# KiCad board Kea Nano PCB V1-rounded.kicad_pcb (continued)
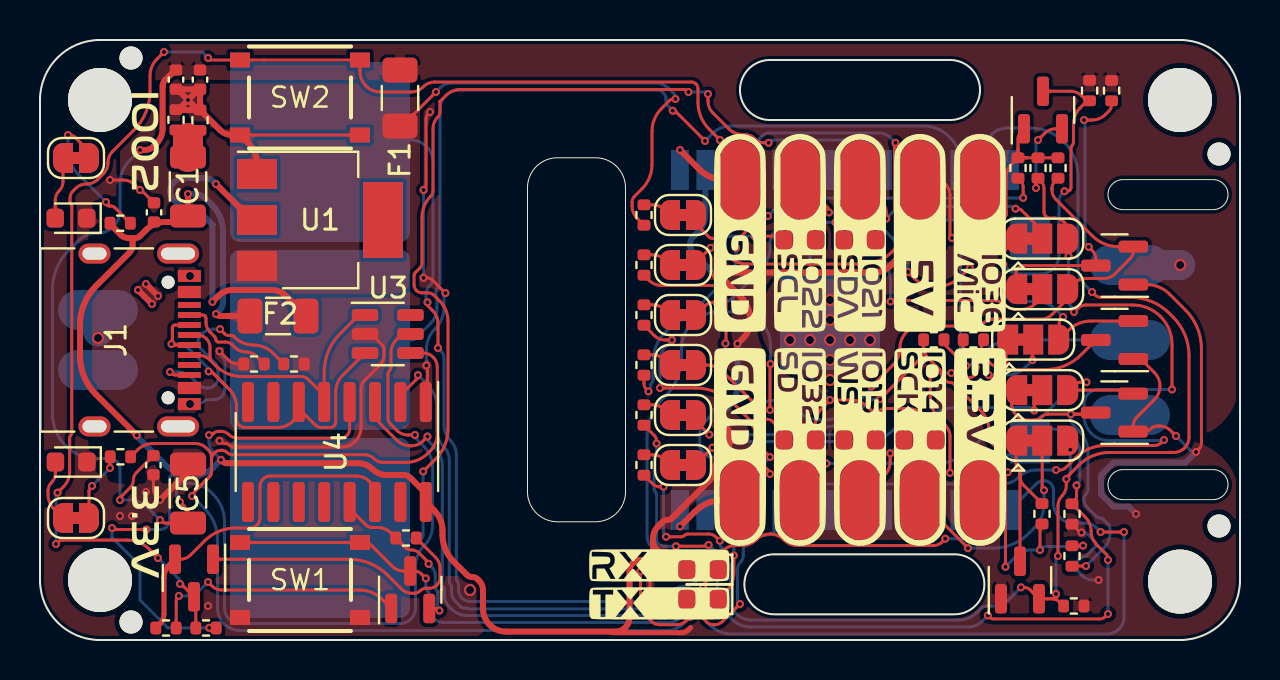
[diagram p0: board, top side]
## Routing (per net, layer and track width the routed paths; a pad name or vN(x,y) marks a point on that pad's centre or on a via; arc(x,y) is an arc through that point) (continued)
  Bottom w0.15: v2(19.97,1.47) 19.92,1.52 arc(19.89,1.57) 19.88,1.63 19.88,2.36 arc(19.86,2.43) 19.82,2.5 arc(19.78,2.56) 19.77,2.63 19.77,3.24 arc(19.72,3.45) 19.6,3.64 v2(19.43,3.81)
/CH340-RTS: length 17.6
  Top w0.15: 16.75,6.57 16.75,7.28 arc(16.68,7.62) 16.48,7.92 16.47,7.92 arc(16.17,8.13) 15.81,8.2 11.51,8.2 arc(11.32,8.16) 11.15,8.05 arc(11.04,7.88) 11,7.69 11,6.11 arc(10.96,5.92) 10.85,5.75 arc(10.68,5.64) 10.49,5.6 9.79,5.6 arc(8.94,5.43) 8.23,4.95 7.51,4.24 arc(7.29,4.09) 7.03,4.04 arc(6.77,3.99) 6.55,3.84
  Top w0.25: R24.2 6,0.81 arc(6.15,1.03) 6.2,1.3 6.2,3.1 arc(6.27,3.46) 6.47,3.76 6.55,3.84
/CH340-RX: length 32.9
  Top w0.15: v2(34.69,4.23) 34.69,3.35 arc(34.59,2.85) 34.3,2.42 34.11,2.22 arc(33.97,2.01) 33.92,1.76 33.92,1.67 arc(33.88,1.5) 33.79,1.36 v2(33.66,1.24) ; U4.3 16.75,11.49 arc(16.83,11.11) 17.04,10.78 17.83,9.99 arc(18.15,9.78) 18.51,9.71 18.58,9.71 arc(18.89,9.77) 19.14,9.94 v2(19.37,10.17)
  Bottom w0.15: v2(33.66,1.24) 33.19,1.71 arc(32.89,1.91) 32.54,1.98 32.5,1.98 arc(32.18,1.92) 31.92,1.74 31.74,1.56 arc(31.69,1.49) 31.68,1.41 31.68,1.39 arc(31.66,1.33) 31.63,1.27 arc(31.58,1.24) 31.52,1.23 21.35,1.23 arc(20.92,1.31) 20.56,1.56 20.47,1.64 arc(20.29,1.91) 20.23,2.23 20.23,2.51 arc(20.21,2.58) 20.17,2.64 arc(20.13,2.7) 20.12,2.77 20.12,8.72 arc(20.02,9.21) 19.74,9.62 19.43,9.93 arc(19.39,10) 19.37,10.08 v2(19.37,10.17) ; v2(34.69,4.23) 34.69,4.51 arc(34.74,4.77) 34.89,4.99 35.59,5.69 arc(35.75,5.93) 35.81,6.2 U2.35
/CH340-TX: length 37.5
  Top w0.15: v2(35,1.8) 34.14,0.94 arc(33.94,0.81) 33.71,0.76 33.69,0.76 arc(33.48,0.8) 33.31,0.92 arc(33.19,1.09) 33.15,1.3 v2(33.15,2.62) 33.18,2.65 arc(33.2,2.68) 33.21,2.71 33.21,2.75 arc(33.22,2.81) 33.26,2.87 D3.1 ; v2(18.9,13.24) 18.9,13.18 arc(18.89,13.11) 18.85,13.06 18.14,12.35 arc(18.05,12.22) 18.02,12.07 U4.2
  Bottom w0.15: v2(33.15,2.62) 33.01,2.47 arc(32.85,2.37) 32.66,2.33 32.44,2.33 arc(32.05,2.25) 31.71,2.03 31.48,1.79 arc(31.22,1.62) 30.91,1.56 21.4,1.56 arc(21.37,1.56) 21.35,1.58 arc(21.32,1.59) 21.3,1.6 21.21,1.6 arc(21.11,1.62) 21.02,1.68 20.76,1.94 arc(20.62,2.14) 20.58,2.39 20.58,2.65 arc(20.56,2.72) 20.52,2.78 arc(20.48,2.85) 20.47,2.92 20.47,8.96 arc(20.39,9.36) 20.16,9.7 arc(19.93,10.04) 19.85,10.45 19.85,11.62 arc(19.73,12.24) 19.37,12.77 v2(18.9,13.24) ; v2(35,1.8) 34.94,1.86 arc(34.89,1.93) 34.88,2.01 34.88,3.53 arc(34.91,3.72) 35.02,3.88 arc(35.13,4.04) 35.17,4.23 35.17,4.44 arc(35.23,4.74) 35.4,5 arc(35.65,5.17) 35.95,5.23 36.14,5.23 arc(36.5,5.3) 36.8,5.5 36.82,5.51 arc(37.01,5.8) 37.07,6.14 U2.34
/IO0: length 60.8
  Top w0.15: v2(53.03,5.4) v2(54.2,5.4) ; SW1.1 SW1.1 16.21,4.88 arc(16.41,4.84) 16.58,4.72 17.62,3.68 arc(17.88,3.51) 18.18,3.45 18.72,3.45 arc(18.91,3.41) 19.07,3.3 v2(19.29,3.08)
  Bottom w0.15: v2(54.2,5.4) 54.2,1.15 arc(54.14,0.83) 53.95,0.55 arc(53.67,0.37) 53.35,0.3 34.6,0.3 arc(33.98,0.42) 33.45,0.78 33.01,1.22 arc(32.98,1.26) 32.97,1.3 arc(32.97,1.35) 32.94,1.39 32.84,1.49 arc(32.68,1.59) 32.5,1.63 arc(32.32,1.59) 32.16,1.49 32.09,1.41 arc(32.04,1.35) 32.03,1.26 arc(32.01,1.18) 31.96,1.11 31.88,1.03 arc(31.71,0.92) 31.52,0.88 20.17,0.88 arc(19.91,0.93) 19.69,1.08 arc(19.55,1.29) 19.5,1.55 19.5,2.18 arc(19.47,2.32) 19.39,2.43 arc(19.32,2.54) 19.29,2.67 v2(19.29,3.08) ; 48.5,5.81 48.5,6.15 arc(48.57,6.47) 48.75,6.75 49.82,7.81 arc(49.99,7.92) 50.18,7.96 50.2,7.96 arc(50.38,7.93) 50.54,7.83 arc(50.64,7.67) 50.67,7.49 50.67,6.83 arc(50.75,6.46) 50.96,6.14 arc(51.28,5.92) 51.66,5.85 52.26,5.85 arc(52.55,5.79) 52.8,5.62 v2(53.03,5.4)
/IO2/WLED: length 101.8
  Top w0.15: 8.57,8.73 8.57,8.32 ; 8.57,8.73 8.57,8.51 arc(8.53,8.28) 8.4,8.08 8.32,8 ; 8.57,8.73 8.57,9.01 arc(8.61,9.19) 8.71,9.35 arc(8.87,9.45) 9.05,9.48 9.09,9.48 arc(9.23,9.46) 9.36,9.37 arc(9.48,9.29) 9.62,9.26 16.23,9.26 arc(16.49,9.21) 16.7,9.07 arc(16.91,8.93) 17.16,8.88 18.29,8.88 arc(18.89,9) 19.4,9.34 19.5,9.44 arc(19.77,9.84) 19.86,10.31 19.86,13.64 arc(19.81,13.91) 19.66,14.14 arc(19.43,14.3) 19.16,14.35 U3.4 ; 8.57,8.73 8.57,9.13 arc(8.53,9.33) 8.42,9.5 8.34,9.58 arc(8.07,9.76) 7.75,9.83 5.67,9.83 arc(5.23,9.74) 4.86,9.49 R28.1 ; 8.08,7.76 8.16,7.84 ; 8.08,7.76 7.92,7.6 ; 8.08,7.76 8.16,7.84 ; 8.08,7.76 7.92,7.6 ; 8.16,7.84 8.24,7.92 ; 8.16,7.84 8.24,7.92 ; v2(7.6,7.2) 7.6,7.24 arc(7.61,7.28) 7.63,7.31 7.92,7.6 ; 8.32,8 8.53,8.22 ; 8.32,8 8.24,7.92 ; 8.32,8 8.24,7.92 ; v2(36.5,11.5) 36.5,13.76 arc(36.5,13.77) 36.51,13.79 v2(36.53,13.8) ; v2(32.5,1.16) 32.3,0.96 arc(32.09,0.82) 31.83,0.77 30.98,0.77 arc(30.76,0.81) 30.57,0.93 30.38,1.12 arc(30.12,1.52) 30.03,1.99 v2(30.03,3.45) ; v2(48.1,9) 48.1,9.17 arc(48.07,9.32) 47.98,9.45 47.6,9.84 arc(47.48,10.01) 47.44,10.22 47.44,10.53 arc(47.34,11.02) 47.06,11.44 45.72,12.78 arc(45.61,12.85) 45.5,12.88 arc(45.38,12.9) 45.28,12.97 45.18,13.06 arc(45.11,13.16) 45.09,13.28 arc(45.07,13.4) 45,13.5 44.42,14.08 arc(44.24,14.35) 44.18,14.67 44.18,14.62 arc(44.11,14.26) 43.9,13.95 v2(41.99,12.04)
  Bottom w0.15: v2(7.6,7.2) 8.24,6.56 arc(8.71,5.86) 8.88,5.02 8.88,1.6 arc(8.96,1.17) 9.21,0.81 arc(9.57,0.56) 10,0.48 31.34,0.48 arc(31.78,0.56) 32.16,0.82 v2(32.5,1.16) ; U2.24 48.59,9.28 arc(48.4,9.25) 48.24,9.14 v2(48.1,9) ; v2(36.53,13.8) 36.53,14.74 arc(36.4,15.37) 36.04,15.91 arc(35.5,16.27) 34.86,16.4 33.91,16.4 arc(33.21,16.26) 32.61,15.86 arc(32.21,15.27) 32.07,14.56 32.07,14.13 arc(31.87,13.09) 31.28,12.21 31.15,12.08 arc(30.56,11.2) 30.35,10.16 30.35,5.19 arc(30.41,4.9) 30.58,4.66 arc(30.74,4.41) 30.8,4.12 30.8,4.05 arc(30.75,3.82) 30.63,3.63 30.6,3.6 arc(30.43,3.49) 30.24,3.45 v2(30.03,3.45) ; v2(36.5,11.5) 36.56,11.5 arc(36.62,11.49) 36.67,11.46 37.05,11.08 arc(37.52,10.76) 38.08,10.65 39.17,10.65 arc(40.08,10.83) 40.85,11.35 41.38,11.88 arc(41.56,12) 41.77,12.04 v2(41.99,12.04)
/IO14/SCK: length 69
  Top w0.15: v2(50.8,2.3) 50.8,2.29 arc(50.8,2.28) 50.81,2.27 50.84,2.23 arc(50.86,2.19) 50.84,2.14 50.83,2.13 arc(50.76,2.08) 50.67,2.06 50.35,2.06 ; v2(33.99,4.96) 33.82,5.13 arc(33.64,5.26) 33.42,5.3 32.39,5.3 arc(32.3,5.28) 32.23,5.23 arc(32.15,5.18) 32.06,5.16 v2(31.3,5.16) ; v2(50.9,4.2) 50.9,6.71 arc(50.95,6.99) 51.11,7.22 arc(51.26,7.45) 51.32,7.72 v2(51.32,8.05) 51.32,8.08 arc(51.32,8.11) 51.34,8.14 51.95,8.75 arc(52.64,9.21) 53.47,9.38 56.68,9.38 arc(56.98,9.43) 57.23,9.6 arc(57.39,9.85) 57.45,10.15 57.45,14.22 arc(57.24,15.26) 56.65,16.15 56.47,16.33 arc(55.58,16.92) 54.54,17.13 53.06,17.13 arc(52.88,17.17) 52.73,17.27 v2(52.6,17.4) ; 49.67,2.35 49.5,2.51 arc(49.37,2.6) 49.22,2.63 v2(49.05,2.63) ; 49.67,2.35 arc(49.98,2.14) 50.35,2.06 ; 49.67,2.35 arc(49.98,2.14) 50.35,2.06 ; 51.03,9.97 51.34,9.97 arc(51.4,9.96) 51.46,9.92 arc(51.5,9.86) 51.51,9.79 v2(51.51,9.51) ; 50.35,2.06 50.56,2.06 arc(50.8,2.02) 51,1.88 R12.1 ; v2(31.18,7.66) 30.98,7.66 arc(30.8,7.7) 30.64,7.8 R10.1
  Bottom w0.15: U2.13 47.24,24.46 arc(47.32,24.9) 47.57,25.27 arc(47.94,25.51) 48.37,25.6 49.51,25.6 arc(50.42,25.42) 51.2,24.9 arc(51.72,24.12) 51.9,23.21 51.9,18.59 arc(51.99,18.14) 52.25,17.75 v2(52.6,17.4) ; v2(31.18,7.66) 31.18,5.38 arc(31.2,5.29) 31.24,5.22 v2(31.3,5.16) ; v2(50.9,4.2) 50.85,4.15 arc(50.81,4.09) 50.8,4.03 v2(50.8,2.3) ; v2(51.51,9.51) 51.51,8.39 arc(51.49,8.26) 51.42,8.15 v2(51.32,8.05) ; v2(33.99,4.96) 33.99,4.83 arc(34.02,4.71) 34.08,4.61 34.1,4.59 arc(34.19,4.47) 34.22,4.32 34.22,4.23 arc(34.25,4.04) 34.36,3.89 34.48,3.76 arc(34.5,3.75) 34.51,3.75 arc(34.52,3.75) 34.53,3.74 34.53,1.72 arc(34.55,1.61) 34.61,1.52 34.83,1.3 arc(35.16,1.08) 35.56,1 45.97,1 arc(46.42,1.09) 46.81,1.35 47.02,1.56 arc(47.18,1.66) 47.36,1.7 47.64,1.7 arc(48.08,1.79) 48.46,2.04 v2(49.05,2.63)
/IO15/WS: length 51.1
  Top w0.15: R14.1 30.73,10.21 arc(30.8,10.1) 30.83,9.97 v2(30.83,9.83) ; Q3.2 54.57,12.41 arc(54.47,12.47) 54.36,12.5 51.69,12.5 arc(51.58,12.57) 51.61,12.69 51.62,12.71 arc(51.83,12.84) 52.07,12.89 v2(52.32,12.89) ; v2(33.43,4.75) 33.4,4.72 arc(33.36,4.7) 33.32,4.69 v2(31.8,4.69) ; v2(51.83,7.73) 51.83,7.2 arc(51.8,7.05) 51.71,6.92 arc(51.67,6.81) 51.71,6.7 52.26,6.15 arc(52.48,5.83) 52.55,5.45 arc(52.63,5.08) 52.84,4.76 53.33,4.27 arc(53.38,4.19) 53.4,4.1 v2(53.4,4) ; v2(53.4,1.3) 53.28,1.18 arc(53.14,1.08) 52.97,1.05 47.69,1.05 arc(47.58,1.07) 47.48,1.14 v2(47.39,1.23)
  Bottom w0.15: v2(33.43,4.75) 33.6,4.58 arc(33.61,4.58) 33.61,4.58 arc(33.62,4.58) 33.63,4.57 33.74,4.46 arc(33.84,4.32) 33.87,4.16 33.87,2.56 arc(34.01,1.83) 34.43,1.21 34.59,1.05 arc(35.03,0.75) 35.54,0.65 46.41,0.65 arc(46.79,0.73) 47.11,0.94 v2(47.39,1.23) ; v2(52.32,12.89) 52.08,12.89 arc(51.86,12.85) 51.67,12.72 50.08,11.13 arc(50,10.76) 50.31,10.56 50.55,10.56 arc(51.1,10.45) 51.57,10.13 51.84,9.86 arc(51.95,9.7) 51.99,9.51 51.99,8.01 arc(51.97,7.9) 51.91,7.81 v2(51.83,7.73) ; v2(53.4,4) v2(53.4,1.3) ; v2(31.8,4.69) 31.19,4.69 arc(31.05,4.72) 30.94,4.79 arc(30.86,4.91) 30.83,5.05 30.83,7.25 arc(30.81,7.33) 30.77,7.4 arc(30.72,7.47) 30.7,7.55 30.7,9.12 arc(30.72,9.2) 30.77,9.27 arc(30.81,9.34) 30.83,9.42 v2(30.83,9.83)
/IO21/SDA: length 69.5
  Top w0.15: v2(34.28,14.83) 34.29,14.84 arc(34.3,14.85) 34.3,14.87 34.3,17 arc(34.24,17.28) 34.09,17.51 arc(33.85,17.67) 33.57,17.73 31.08,17.73 arc(30.74,17.79) 30.46,17.98 R19.1 ; v2(51.7,16.4) 51.88,16.58 arc(52.07,16.7) 52.3,16.75 54.64,16.75 arc(55.39,16.6) 56.03,16.18 arc(56.45,15.54) 56.6,14.79 v2(56.6,12.53) ; v2(56.2,10) 56.06,9.86 arc(55.91,9.76) 55.73,9.73 53.26,9.73 arc(52.46,9.57) 51.78,9.11 51.3,8.63 arc(51.16,8.53) 50.99,8.5 v2(50.8,8.5) ; v2(49.9,25) 50.24,25.34 arc(50.49,25.5) 50.78,25.56 Q4.2 ; v2(51.43,19.19) 51.43,20.04 arc(51.42,20.05) 51.42,20.06 arc(51.41,20.07) 51.41,20.08 51.41,20.4 arc(51.36,20.67) 51.21,20.89 arc(50.98,21.05) 50.71,21.1 50.39,21.1 arc(50.39,21.1) 50.39,21.1 arc(50.39,21.1) 50.38,21.1 50.29,21.19 arc(50.22,21.29) 50.2,21.41 50.2,22.58 arc(50.16,22.77) 50.05,22.94 49.95,23.04 arc(49.9,23.06) 49.85,23.04 arc(49.81,22.98) 49.8,22.92 v2(49.8,22.6) ; 51.02,19.6 51.02,19.8 ; v2(35.74,9.24) 35.74,9.2 arc(35.74,9.17) 35.76,9.14 36.46,8.44 arc(36.49,8.4) 36.5,8.35 v2(36.5,8.3)
  Bottom w0.15: v2(51.43,19.19) 51.43,17 arc(51.46,16.82) 51.56,16.67 51.65,16.57 arc(51.69,16.52) 51.7,16.46 v2(51.7,16.4) ; v2(49.9,25) 49.85,24.95 arc(49.81,24.9) 49.8,24.83 v2(49.8,22.6) ; v2(35.74,9.24) 35.69,9.19 arc(35.64,9.16) 35.58,9.15 33.55,9.15 arc(33.43,9.17) 33.34,9.23 33.07,9.5 arc(33.01,9.59) 32.99,9.71 32.99,10.24 arc(33.06,10.62) 33.28,10.95 33.52,11.19 arc(33.56,11.25) 33.58,11.33 arc(33.59,11.41) 33.63,11.47 33.93,11.76 arc(34.18,12.15) 34.28,12.61 v2(34.28,14.83) ; v2(56.2,10) 56.19,9.99 arc(56.17,9.98) 56.16,9.98 53.44,9.98 arc(52.96,10.07) 52.56,10.34 arc(52.29,10.74) 52.2,11.21 52.2,11.8 arc(52.26,12.08) 52.41,12.31 arc(52.65,12.47) 52.92,12.52 55.52,12.52 arc(55.53,12.52) 55.53,12.53 v2(56.6,12.53) ; v2(36.5,8.3) 37.24,8.3 arc(37.66,8.22) 38.02,7.97 38.27,7.72 ; 38.27,7.72 arc(38.34,7.69) 38.42,7.72 ; 38.27,7.72 arc(38.33,7.64) 38.34,7.54 ; 38.34,7.54 U2.33 ; 38.34,7.54 arc(38.36,7.64) 38.42,7.72 ; v2(50.8,8.5) 49.79,8.5 arc(49.34,8.41) 48.95,8.15 arc(48.56,7.89) 48.11,7.8 38.6,7.8 arc(38.5,7.78) 38.42,7.72
/IO22/SCL: length 45.2
  Top w0.15: v2(41.57,12.67) 42.66,13.76 arc(42.91,14.14) 43,14.58 43,14.61 arc(43.08,15.04) 43.32,15.39 arc(43.68,15.64) 44.11,15.72 44.67,15.72 arc(44.68,15.72) 44.69,15.71 arc(44.7,15.7) 44.71,15.7 46.8,15.7 arc(47.02,15.74) 47.21,15.87 arc(47.4,16) 47.62,16.04 49.75,16.04 ; v2(36.5,9.15) 36.05,9.6 arc(35.83,9.93) 35.75,10.32 v2(35.75,10.74) 34.69,11.8 arc(33.81,12.39) 32.77,12.6 v2(31,12.6) ; 49.75,16.04 50.06,16.04 arc(50.35,16.1) 50.59,16.26 51.25,16.92 arc(51.37,17.1) 51.41,17.32 arc(51.45,17.53) 51.57,17.71 51.68,17.81 arc(51.97,18.01) 52.32,18.08 53.22,18.08 arc(53.5,18.14) 53.73,18.29 54.51,19.07 arc(54.63,19.24) 54.67,19.45 arc(54.6,19.61) 54.45,19.67 53.91,19.67 arc(53.21,19.81) 52.62,20.2 50.8,22.03 arc(50.65,22.25) 50.6,22.51 50.6,22.58 arc(50.64,22.77) 50.75,22.94 R25.1 ; v2(31.6,15) 31.27,15 arc(30.97,15.06) 30.71,15.23 R22.1
  Bottom w0.15: v2(31,12.6) 31,13.98 arc(31.08,14.37) 31.3,14.7 v2(31.6,15) ; U2.36 34.53,6.84 arc(34.6,7.15) 34.78,7.42 v2(36.5,9.15) ; v2(41.57,12.67) 41.57,12.62 arc(41.57,12.58) 41.54,12.54 40.59,11.59 arc(39.94,11.15) 39.16,11 39.02,11 arc(38.38,11.13) 37.84,11.49 37.73,11.6 arc(37.31,11.88) 36.83,11.97 36.57,11.97 arc(36.32,11.92) 36.11,11.78 35.99,11.66 arc(35.81,11.4) 35.75,11.08 v2(35.75,10.74)
/IO32/SD: length 47.3
  Top w0.15: Q1.2 52.55,15.95 arc(51.94,15.83) 51.43,15.48 51.29,15.35 arc(51.08,15.31) 50.96,15.49 50.96,15.83 arc(50.98,15.95) 51.06,16.06 v2(51.15,16.16) ; v2(34.8,19.6) 34.8,19.77 arc(34.83,19.92) 34.92,20.05 35.45,20.58 arc(35.58,20.67) 35.73,20.7 arc(35.89,20.73) 36.02,20.82 v2(36.4,21.2) ; v2(30.43,12.43) 30.31,12.54 arc(30.23,12.67) 30.2,12.81 R4.1 ; R5.1 49.03,22.96 arc(49.12,22.82) 49.16,22.65 v2(49.16,22.11) ; v2(43.4,18.4) 43.75,18.05 arc(44.14,17.79) 44.59,17.7 44.91,17.7 arc(45.52,17.82) 46.03,18.16 46.5,18.63
  Bottom w0.15: 40.88,22.62 40.88,22.42 ; 40.88,22.62 40.88,22.42 ; 40.88,22.62 40.88,22.79 ; 40.88,22.62 40.88,22.79 ; 40.88,22.42 40.88,22.26 ; 40.88,22.42 40.88,22.26 ; 40.88,22.26 40.88,22.12 arc(40.94,21.85) 41.09,21.61 43.08,19.63 arc(43.32,19.27) 43.4,18.85 v2(43.4,18.4) ; 40.88,22.26 arc(40.93,22.15) 41.04,22.1 49.15,22.1 arc(49.15,22.1) 49.16,22.1 v2(49.16,22.11) ; 40.8,22.1 37.94,22.1 arc(37.35,21.98) 36.85,21.65 v2(36.4,21.2) ; 40.88,22.87 40.88,22.93 ; 40.88,22.87 40.88,22.79 ; 40.88,22.87 40.88,22.79 ; 40.88,22.87 40.88,22.93 ; 40.88,22.93 40.88,22.96 40.88,22.19 ; v2(34.8,19.6) 34.8,19.08 arc(34.7,18.59) 34.43,18.18 32.38,16.13 arc(32.23,16.03) 32.06,16 arc(31.89,15.97) 31.74,15.87 31.26,15.39 arc(30.81,14.71) 30.65,13.91 30.65,13.01 arc(30.63,12.93) 30.59,12.86 arc(30.54,12.79) 30.53,12.71 30.53,12.6 arc(30.51,12.53) 30.48,12.48 v2(30.43,12.43) ; 46.5,18.63 47.43,17.7 arc(48.28,17.13) 49.29,16.93 49.84,16.93 arc(50.34,16.83) 50.77,16.54 v2(51.15,16.16)
  vias: v2(46.5,18.6)
/RESET: length 69.9
  Top w0.15: SW2.1 8.51,29 v2(8.4,29.1) ; v2(0.8,4.8) 0.9,4.9 arc(1,4.97) 1.13,4.99 4.37,4.99 arc(4.96,4.88) 5.45,4.55 v2(5.9,4.1) ; v2(34,25) 33.45,25.55 arc(33.04,26.16) 32.9,26.88 32.9,27.56 arc(32.87,27.69) 32.8,27.8 arc(32.69,27.87) 32.56,27.9 19.75,27.9 arc(19.43,27.84) 19.15,27.65 arc(18.87,27.46) 18.55,27.4 17.02,27.4 arc(16.63,27.48) 16.3,27.7 arc(16.08,28.03) 16,28.42 16,28.5 arc(15.85,28.85) 15.5,29 9.6,29 ; v2(6.2,29.4) 5.85,29.05 arc(5.59,28.66) 5.5,28.21 5.5,27.43 arc(5.29,26.39) 4.7,25.5 3.63,24.43 arc(3.46,24.17) 3.4,23.87 arc(3.34,23.57) 3.17,23.31 2.89,23.03 arc(2.63,22.86) 2.33,22.8 arc(2.03,22.74) 1.77,22.57 1.66,22.46 arc(1.54,22.28) 1.5,22.07 1.5,21.91 arc(1.51,21.85) 1.54,21.8 arc(1.58,21.76) 1.59,21.7 1.59,10.36 arc(1.58,10.29) 1.54,10.24 arc(1.5,10.18) 1.48,10.11 1.48,8.4 arc(1.4,8) 1.18,7.67 v2(0.87,7.36) ; R1.1 7.79,2.01 arc(7.78,2.07) 7.75,2.12 Q5.3 7.08,2.78 arc(7.06,2.79) 7.03,2.8 v2(7,2.8)
  Bottom w0.15: v2(0.87,7.36) 0.84,7.33 arc(0.81,7.29) 0.8,7.24 v2(0.8,4.8) ; v2(5.9,4.1) 6.93,3.07 arc(6.98,2.99) 7,2.9 v2(7,2.8) ; v2(34,25) 34.16,24.84 arc(34.23,24.79) 34.32,24.77 34.32,24.77 arc(34.4,24.76) 34.47,24.71 arc(34.52,24.64) 34.53,24.56 U2.3 ; v2(8.4,29.1) 8.11,29.4 v2(6.2,29.4)
/USB_D+: length 14.7
  Top w0.15: U3.1 16.09,16.25 arc(15.95,16.22) 15.83,16.14 15.01,15.32 arc(14.42,14.44) 14.21,13.4 14.21,12.07 arc(14.18,12.22) 14.09,12.35 13.41,13.03 arc(13.25,13.14) 13.07,13.17 10.09,13.17 arc(9.38,13.31) 8.79,13.71 8.53,13.97 arc(8.22,14.18) 7.86,14.25 J1.B6 ; J1.A6 7.88,15.25 arc(8.12,15.2) 8.32,15.07 arc(8.45,14.87) 8.5,14.63 8.5,14
/USB_D-: length 20.9
  Top w0.15: 6.62,15.61 6.62,15.62 arc(6.63,15.67) 6.66,15.71 arc(6.7,15.74) 6.75,15.75 J1.B7 ; 6.62,15.61 6.62,15.59 ; 6.62,15.61 6.62,15.59 ; 8.74,13.26 8.9,13.1 ; 8.74,13.26 8.62,13.38 arc(8.57,13.42) 8.5,13.43 v2(8.43,13.43) ; 8.74,13.26 8.5,13.5 ; 8.74,13.26 8.9,13.1 ; 8.9,13.1 9.11,12.89 ; 8.9,13.1 9.11,12.89 ; 6.62,15.08 6.62,15.4 ; 6.62,15.08 6.62,15.4 ; 6.62,15.08 6.62,14.88 ; 6.62,15.08 6.62,14.88 ; 6.62,15.4 6.62,15.51 ; 6.62,15.4 6.62,15.51 ; J1.A7 6.75,14.75 arc(6.7,14.76) 6.66,14.79 arc(6.63,14.83) 6.62,14.88 ; 6.62,15.51 6.62,15.57 ; 6.62,15.51 6.62,15.57 ; 13.06,11.45 13.75,10.76 arc(13.9,10.66) 14.07,10.63 14.51,10.63 arc(14.62,10.65) 14.71,10.7 arc(14.76,10.79) 14.78,10.9 14.78,12.39 arc(14.87,12.85) 15.13,13.23 U3.3 ; 13.06,11.45 arc(12.97,11.58) 12.94,11.73 ; 13.06,11.45 arc(12.97,11.58) 12.94,11.73 ; 6.62,15.59 6.62,15.57 ; 6.62,15.59 6.62,15.57 ; 9.35,12.65 9.11,12.89 ; 9.35,12.65 9.11,12.89 ; 9.35,12.65 9.46,12.54 arc(9.73,12.14) 9.83,11.66 9.83,11.05 arc(9.86,10.89) 9.95,10.75 arc(10.09,10.66) 10.25,10.63 11.89,10.63 arc(12.29,10.71) 12.63,10.93 12.71,11.01 arc(12.88,11.27) 12.94,11.57 12.94,11.73 ; v2(6.57,14.8) 6.6,14.82 arc(6.61,14.85) 6.62,14.88
  Bottom w0.15: v2(6.57,14.8) 6.89,14.8 arc(7.18,14.74) 7.42,14.58 8.38,13.62 arc(8.42,13.57) 8.43,13.5 v2(8.43,13.43)
/USB_IN: length 24.2
  Top w0.15: F1.1 18.05,25.7 arc(18.1,25.71) 18.13,25.74 v2(19.8,27.4) ; v2(31.77,27.05) 31.66,27.05 arc(31.56,27.03) 31.47,26.97 31.08,26.58 arc(30.72,26.05) 30.6,25.43 30.6,23.76 arc(30.47,23.11) 30.1,22.56 29.72,22.18 arc(29.64,22.05) 29.61,21.9 29.61,21.7 arc(29.67,21.36) 29.86,21.08 R18.1
  Bottom w0.15: v2(31.77,27.05) 31.76,27.06 arc(31.75,27.08) 31.75,27.09 31.75,27.17 arc(31.73,27.26) 31.68,27.34 31.46,27.56 arc(31.14,27.77) 30.76,27.85 20.57,27.85 arc(20.27,27.79) 20.02,27.63 v2(19.8,27.4)
  Bottom w1.5: 3.8,16.5 3.35,16.5 arc(3.03,16.37) 2.9,16.05 2.9,15.43
  vias: v1(2.9,15.1)
Net-(C1-Pad2): length 0.9
  Top w1.5: 7.4,25.1 C1.2
Net-(D1-Pad2): length 6.2
  Top w0.15: D1.2 37.19,10.18 arc(37.16,10.34) 37.07,10.48 36.6,10.95 arc(36.52,11.01) 36.41,11.03 arc(36.31,11.05) 36.23,11.1 36.1,11.23 arc(36.05,11.31) 36.03,11.41 arc(36.01,11.52) 35.95,11.6 34.15,13.4 arc(33.76,13.66) 33.3,13.75 JP1.1
Net-(D2-Pad2): length 1.3
  Top w0.15: D2.2 31.64,2.03 arc(31.45,2.07) 31.28,2.18 R7.2
Net-(D3-Pad2): length 1.3
  Top w0.15: D3.2 31.66,3.53 arc(31.46,3.49) 31.28,3.38 R8.2
Net-(D4-Pad2): length 12.5
  Top w0.15: v2(33.62,9.62) 32.82,8.82 arc(32.8,8.8) 32.8,8.78 JP3.1 ; D4.2 43.23,10.03 arc(43.25,10.07) 43.26,10.12 v2(43.26,11.1)
  Bottom w0.15: v2(33.62,9.62) 33.77,9.77 arc(33.94,9.88) 34.13,9.92 41.25,9.92 arc(42.02,10.07) 42.67,10.51 v2(43.26,11.1)
Net-(D5-Pad2): length 10.8
  Top w0.15: D5.2 41.07,10.87 arc(41.13,10.92) 41.21,10.93 v2(41.29,10.93) ; JP5.1 32.8,11.09 arc(32.83,10.94) 32.91,10.82 v2(33.46,10.27)
  Bottom w0.15: v2(33.46,10.27) 40.16,10.27 arc(40.59,10.36) 40.96,10.6 v2(41.29,10.93)
Net-(D6-Pad2): length 3.1
  Top w0.15: JP7.1 1.15,22.92 arc(1.1,22.67) 0.96,22.46 arc(0.81,22.24) 0.76,21.99 D6.2
Net-(D7-Pad2): length 12.1
  Top w0.15: JP8.1 32.8,21.03 arc(32.84,20.82) 32.96,20.64 33.44,20.16 arc(33.52,20.1) 33.62,20.08 arc(33.72,20.07) 33.8,20.01 33.93,19.88 arc(33.99,19.8) 34,19.7 arc(34.02,19.6) 34.08,19.52 34.4,19.2 arc(34.84,18.9) 35.36,18.8 41.14,18.8 arc(41.93,18.96) 42.59,19.4 D7.2
Net-(D8-Pad2): length 5.1
  Top w0.15: D8.2 37.1,20.09 arc(36.99,20.17) 36.87,20.19 v2(35.73,20.19) ; v2(33.53,19.61) 32.85,18.93 arc(32.81,18.88) 32.8,18.81 JP9.1
  Bottom w0.15: v2(35.73,20.19) 34.52,20.19 arc(34.14,20.11) 33.82,19.9 v2(33.53,19.61)
Net-(D9-Pad2): length 10.5
  Top w0.15: v2(33.83,16.88) 33.63,16.88 arc(33.44,16.84) 33.28,16.73 JP11.1 ; D9.2 39.95,20.25 arc(39.82,20.43) 39.78,20.65 v2(39.78,20.88)
  Bottom w0.15: v2(39.78,20.88) 37.59,20.88 arc(37.17,20.8) 36.82,20.56 arc(36.58,20.21) 36.5,19.79 36.5,19.61 arc(36.38,19.02) 36.05,18.53 34.6,17.08 arc(34.38,16.93) 34.11,16.88 v2(33.83,16.88)
Net-(D10-Pad2): length 3.2
  Top w0.15: D10.2 0.77,8.33 arc(0.72,8.09) 0.59,7.89 arc(0.45,7.68) 0.4,7.44 0.4,7.28 arc(0.48,6.88) 0.7,6.55 JP13.1
Net-(F2-Pad1): length 17.7
  Top w0.3: v2(8.8,22.8) 10.51,21.09 arc(10.61,21.02) 10.72,21 U1.2 ; F2.1 12.29,17.21 arc(11.97,17.42) 11.58,17.5 9.64,17.5 arc(9.25,17.42) 8.92,17.2 v2(8.62,16.91)
  Bottom w0.3: v2(8.62,16.91) 8.62,20.74 arc(8.62,20.74) 8.63,20.75 arc(8.63,20.75) 8.63,20.76 8.13,21.26 arc(7.86,21.44) 7.54,21.5 arc(7.23,21.56) 6.96,21.74 6.68,22.02 arc(6.55,22.22) 6.5,22.45 arc(6.55,22.68) 6.68,22.88 6.7,22.9 arc(6.92,23.05) 7.18,23.1 8.29,23.1 arc(8.48,23.06) 8.65,22.95 v2(8.8,22.8)
Net-(IO2-Pad1): length 10.4
  Top w0.15: v2(46.3,13.71) 45.27,14.74 arc(45.22,14.82) 45.2,14.91 R27.2
  Bottom w0.15: v2(46.3,13.71) 46.4,13.71 arc(46.49,13.73) 46.57,13.78 47.15,14.36 arc(47.87,14.84) 48.72,15.01 54.48,15.01 arc(54.49,15.01) 54.5,15 IO2.1
Net-(IO4-Pad1): length 57.9
  Top w0.15: v2(19.9,14.6) 19.9,15.83 arc(19.83,16.17) 19.64,16.46 19.43,16.67 arc(19.39,16.73) 19.38,16.81 v2(19.38,16.89) ; v2(45.26,5.06) 45.09,4.89 arc(44.91,4.77) 44.69,4.73 37.88,4.73 arc(37.5,4.8) 37.18,5.01 37.18,5.02 arc(36.87,5.23) 36.5,5.3 arc(36.13,5.23) 35.82,5.02 35.82,5.01 arc(35.5,4.8) 35.12,4.73 34.74,4.73 arc(34.45,4.67) 34.2,4.5 34.19,4.49 arc(33.96,4.33) 33.68,4.28 33.56,4.28 arc(33.39,4.25) 33.26,4.15 v2(33.13,4.03)
  Bottom w0.15: U2.26 47.24,5.55 arc(47.2,5.37) 47.09,5.21 arc(46.93,5.1) 46.75,5.06 v2(45.26,5.06) ; v2(19.9,14.6) 20.05,14.45 arc(20.16,14.28) 20.2,14.09 20.2,10.74 arc(20.28,10.33) 20.51,9.99 arc(20.74,9.65) 20.82,9.25 20.82,3.06 arc(20.83,2.99) 20.87,2.93 arc(20.91,2.87) 20.93,2.8 20.93,2.5 arc(20.97,2.28) 21.09,2.09 arc(21.28,1.97) 21.5,1.93 30.58,1.93 arc(31.08,2.02) 31.49,2.3 31.63,2.44 arc(31.89,2.62) 32.2,2.68 arc(32.51,2.74) 32.78,2.92 32.86,3 arc(33.06,3.3) 33.13,3.65 v2(33.13,4.03) ; v2(19.38,16.89) 19.34,16.93 arc(19.31,16.97) 19.3,17.02 19.3,17.29 arc(19.35,17.52) 19.48,17.72 arc(19.6,17.91) 19.65,18.14 19.65,23.89 arc(19.57,24.31) 19.33,24.67 arc(18.96,24.92) 18.54,25 14,25
Net-(IO14-Pad1): length 11.6
  Top w0.15: IO14.1 46.4,4.6 arc(46.4,4.6) 46.4,4.59 v2(46.4,4.59) ; v2(50.2,7.49) 50.16,7.53 arc(50.12,7.58) 50.11,7.64 JP4.2
  Bottom w0.15: v2(46.4,4.59) 47.64,4.59 arc(48.62,4.78) 49.45,5.34 49.7,5.59 arc(50.07,6.14) 50.2,6.79 v2(50.2,7.49)
Net-(IO15-Pad1): length 12.2
  Top w0.15: v2(49.71,11.47) 49.71,11.81 arc(49.76,12.07) 49.91,12.3 JP6.2 ; v2(42.51,9.34) 42.51,8.92 arc(42.43,8.54) 42.22,8.22 IO15.1
  Bottom w0.15: v2(42.51,9.34) 44,10.83 arc(44.89,11.42) 45.93,11.63 49.45,11.63 arc(49.55,11.61) 49.63,11.55 v2(49.71,11.47)
Net-(IO21-Pad1): length 11.3
  Top w0.15: IO21.1 42.09,21.91 arc(42.25,21.67) 42.31,21.38 v2(42.31,21.07) ; JP10.2 50.11,20.26 arc(50.07,20.44) 49.97,20.6 49.08,21.48 arc(49,21.54) 48.89,21.56 v2(48.77,21.56)
  Bottom w0.15: v2(48.77,21.56) 48.72,21.62 arc(48.65,21.66) 48.58,21.68 43.35,21.68 arc(42.95,21.6) 42.62,21.38 v2(42.31,21.07)
Net-(IO22-Pad1): length 16.4
  Top w0.15: v2(39.45,21.38) 39.45,21.47 arc(39.43,21.55) 39.39,21.61 IO22.1 ; v2(42.53,16.92) 42.55,16.95 arc(42.58,16.97) 42.61,16.97 47.71,16.97 arc(48.01,16.92) 48.26,16.75 arc(48.51,16.58) 48.81,16.52 49.02,16.52 arc(49.44,16.6) 49.79,16.84 49.97,17.02 arc(50.07,17.17) 50.11,17.35 JP12.2
  Bottom w0.15: v2(39.45,21.38) 39.83,21.38 arc(39.94,21.36) 40.04,21.29 41.86,19.47 arc(42.35,18.73) 42.53,17.87 v2(42.53,16.92)
Net-(IO27-Pad1): length 46.2
  Top w0.15: v2(33.25,24.95) 31.78,26.43 arc(31.74,26.45) 31.69,26.46 v2(31.64,26.46)
  Bottom w0.15: U2.12 45.97,24.08 arc(45.86,24.61) 45.56,25.06 45.44,25.17 arc(44.86,25.56) 44.17,25.7 34.53,25.7 arc(34.04,25.6) 33.63,25.33 v2(33.25,24.95) ; IO27.1 18.62,15.01 arc(18.7,15.03) 18.78,15.08 19.51,15.81 arc(19.76,16.19) 19.85,16.62 19.85,17.06 arc(19.84,17.09) 19.82,17.12 arc(19.8,17.15) 19.8,17.19 19.8,17.4 arc(19.82,17.53) 19.9,17.65 arc(19.97,17.76) 20,17.89 20,26.53 arc(20.07,26.9) 20.29,27.21 arc(20.6,27.43) 20.97,27.5 30.83,27.5 arc(31.01,27.46) 31.16,27.36 arc(31.26,27.21) 31.3,27.03 31.3,27.01 arc(31.34,26.82) 31.45,26.65 v2(31.64,26.46)
Net-(IO32-Pad1): length 18
  Top w0.15: v2(47.43,13.25) 47.67,13.01 arc(47.85,12.74) 47.91,12.42 v2(47.91,10.3) ; IO32.1 38,7.25 arc(38.05,7.49) 38.18,7.69 v2(39.32,8.83) ; v2(49.62,13.99) 49.62,14.96 arc(49.63,14.98) 49.64,15 JP2.2
  Bottom w0.15: v2(47.43,13.25) 48.36,13.25 arc(48.85,13.35) 49.25,13.62 v2(49.62,13.99) ; v2(39.32,8.83) 44.81,8.83 arc(45.77,9.02) 46.58,9.57 47.11,10.09 arc(47.34,10.25) 47.62,10.3 v2(47.91,10.3)
Net-(IO33-Pad1): length 53.8
  Top w0.15: v2(36.43,24.86) 36.19,24.86 arc(35.96,24.9) 35.77,25.03 35.74,25.07 arc(35.51,25.22) 35.23,25.27 35.13,25.27 arc(34.76,25.35) 34.44,25.56 33.65,26.35 arc(33.46,26.63) 33.4,26.95 v2(33.4,27.3) ; v2(32.43,27.4) 32.36,27.46 arc(32.29,27.51) 32.21,27.53 21.02,27.53 arc(20.63,27.45) 20.3,27.23 20,26.93 20,26.4 arc(19.97,26.26) 19.9,26.15 arc(19.71,25.88) 19.65,25.56 19.65,22.46 arc(19.62,22.32) 19.54,22.19 arc(19.21,21.71) 19.1,21.13 19.1,18.87 arc(19.07,18.71) 18.98,18.58 arc(18.98,18.58) 18.98,18.58 arc(18.98,18.58) 18.98,18.58 18.76,18.36 arc(18.72,18.3) 18.7,18.22 18.7,17.77 arc(18.73,17.61) 18.82,17.48 arc(18.95,17.39) 19.11,17.36 19.38,17.36 arc(19.56,17.33) 19.71,17.23 19.99,16.95 arc(20.29,16.49) 20.4,15.95 20.4,10.55 arc(20.24,9.74) 19.78,9.05 v2(19.16,8.42)
  Bottom w0.15: v2(33.4,27.3) 33.35,27.35 arc(33.29,27.39) 33.23,27.4 v2(32.43,27.4) ; v2(19.16,8.42) 19.16,5.27 arc(19.14,5.16) 19.08,5.08 arc(18.99,5.02) 18.89,5 14.03,5 arc(14.02,5) 14.01,5.01 14,5.02 ; U2.9 42.16,24.39 arc(42.11,24.63) 41.98,24.82 arc(41.78,24.95) 41.55,25 36.67,25 arc(36.58,24.98) 36.5,24.93 v2(36.43,24.86)
Net-(IO36-Pad1): length 18.1
  Top w0.15: IO36.1 47,22.45 arc(46.9,21.94) 46.61,21.51 v2(46.1,21) ; v2(42.78,24.86) 42.75,24.84 arc(42.73,24.81) 42.73,24.77 42.73,21.67 arc(42.76,21.49) 42.86,21.33 42.93,21.27 arc(42.98,21.19) 43,21.1 v2(43,21)
  Bottom w0.15: U2.4 35.81,24.65 arc(35.85,24.89) 35.99,25.09 36.14,25.25 arc(36.26,25.32) 36.4,25.35 41.94,25.35 arc(42.26,25.29) 42.53,25.11 v2(42.78,24.86) ; v2(43,21) v2(46.1,21)
Net-(J1-PadA5): length 5
  Top w0.15: J1.A5 8.14,16.25 arc(8.2,16.24) 8.25,16.2 arc(8.29,16.15) 8.3,16.09 8.3,15.88 arc(8.35,15.62) 8.5,15.4 8.73,15.17 arc(8.78,15.09) 8.8,15 arc(8.83,14.93) 8.9,14.9 9.28,14.9 arc(9.46,14.86) 9.61,14.76 9.75,14.62 arc(10,14.46) 10.29,14.4 arc(10.59,14.34) 10.83,14.18 R3.1
Net-(J1-PadB5): length 11.3
  Top w0.15: J1.B5 6.76,13.25 arc(6.66,13.27) 6.57,13.33 v2(6.5,13.4) ; R2.1 11.64,14.35 arc(11.2,14.65) 10.68,14.75 arc(10.16,14.85) 9.72,15.15 9.68,15.19 arc(9.63,15.22) 9.58,15.23 9.41,15.23 arc(9.32,15.25) 9.25,15.3 v2(9,15.54)
  Bottom w0.15: v2(9,15.54) 8.65,15.54 arc(8.37,15.48) 8.12,15.32 8.04,15.24 arc(7.94,15.08) 7.9,14.9 arc(7.94,14.72) 8.04,14.56 8.77,13.83 arc(8.87,13.69) 8.9,13.52 8.9,13.11 arc(8.86,12.92) 8.75,12.75 arc(8.58,12.64) 8.39,12.6 8.35,12.6 arc(8.12,12.65) 7.92,12.78 7.58,13.12 arc(7.27,13.33) 6.9,13.4 v2(6.5,13.4)
